# Altium PCB Mynd_Main.PcbDoc (part 1 of 5) (continued)
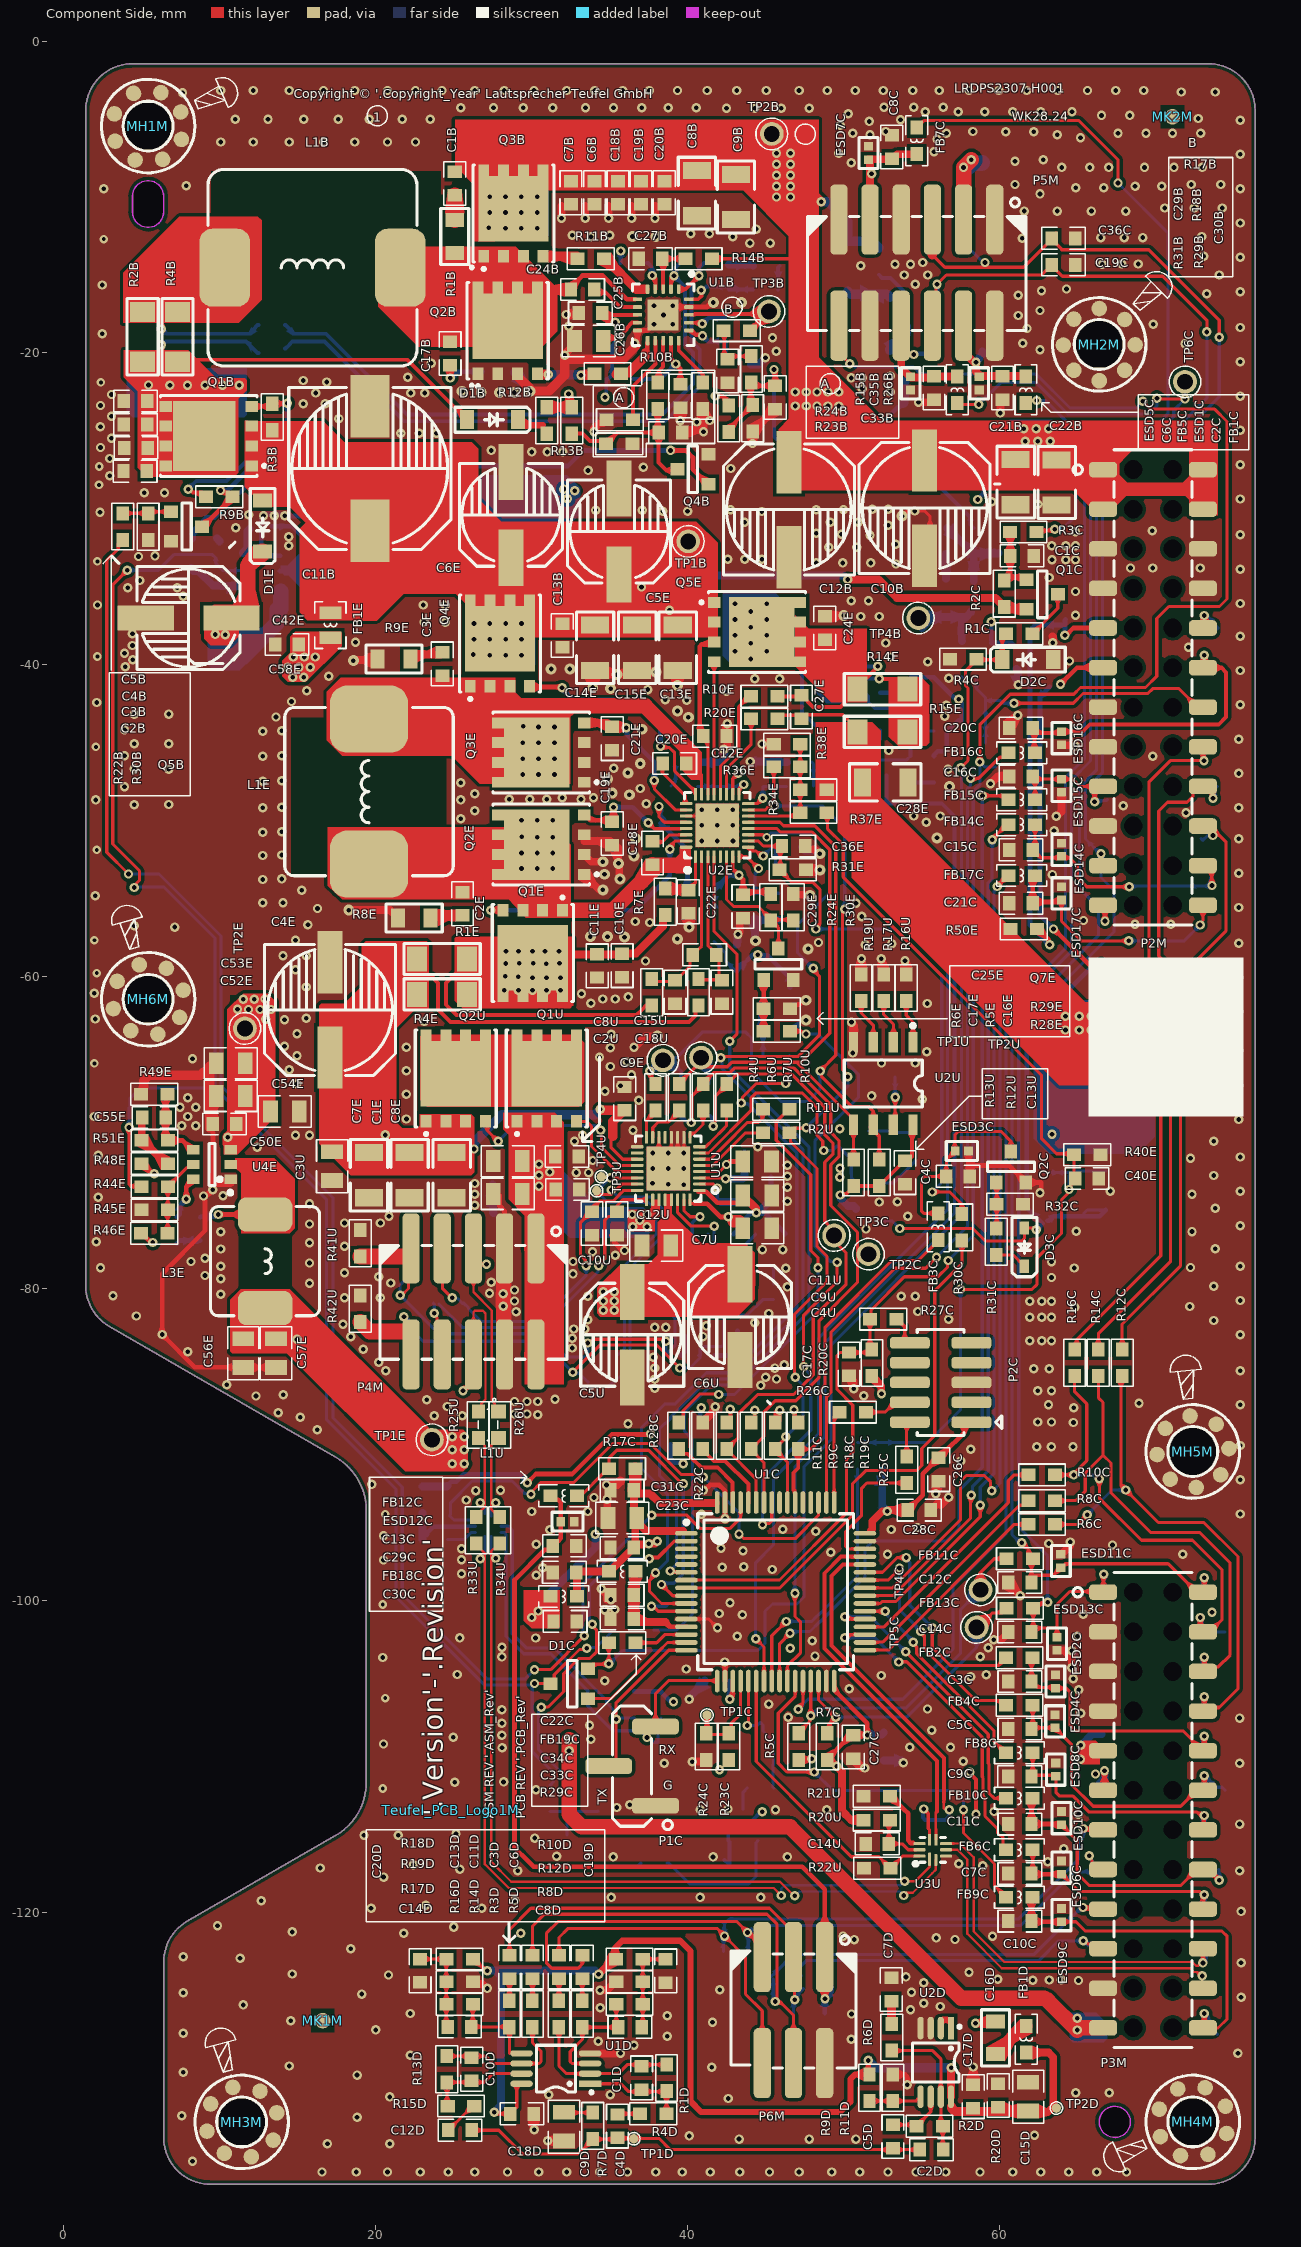
[diagram p0: Component Side view]
## Components (designator, comment, footprint, x,y, rotation, side; value= is the part's Value field where it differs from the comment) (continued)
R37U "0R" R0603 34.5,-84.4 r180 bottom
R38B "0R" R0603 58.351,-35.265 r270 bottom
R38C "10k" R0603 44.665,-110.516 r0 bottom
R38E "560k" R0603 46.375,-45.1 r180 top
R38U "0R" R0603 34.5,-86 r0 bottom
R39C "10k" R0603 32.715,-112.688 r270 bottom
R39E "100k" R0603 50.897,-90.726 r270 bottom
R39U "1M" R0402 39.1,-84.3 r0 bottom
R40C "10k" R0603 31.191,-112.7 r270 bottom
R40E "100k" R0603 65.629,-71.422 r180 top
R40U "1M" R0402 41.2,-84.3 r0 bottom
R41C "4.7M" R0603 34.265,-112.673 r90 bottom
R41E "33k" R0603 8.167,-32.932 r90 bottom
R41U "0R" R0603 19,-77.1 r270 top
R42E "100k" R0603 9.974,-32.937 r90 bottom
R42U "0R" R0603 19,-81.3 r270 top
R43E "10k" R0603 10.042,-35.957 r270 bottom
R44E "0R" R0603 5.815,-73.475 r0 top
R45E "100k" R0603 5.815,-74.961 r0 top
R46E "NC" R0603 5.8,-76.45 r0 top
R47E "10R" R0603 7.251,-76.265 r90 bottom
R48E "6.8k" R0603 5.815,-71.989 r0 top
R49E "13.3k" R0603 5.8,-67.55 r180 top
R50E "10k" R0603 61.565,-56.944 r0 top
R51E "100k" R0603 5.815,-70.503 r0 top
Teufel_ASM_Label1M "3.3" Teufel_ASM_Rev -29.649,-114.765 r90 top
Teufel_Copyright1M "2023" TEUFEL_COPYRIGHT -13.433,-129.407 r90 top
Teufel_PCB_Label1M "3.3" Teufel_PCB_Rev -26.449,-75.665 r90 top
Teufel_PCB_Logo1M "T.3.0.0040-3.3" Teufel_NoLogo 24.8,-113.45 r90 top
TP1B "TP_T_60_40" TP_T_60_40 40.042,-32.082 r0 top
TP1C "TP" TP060 41.245,-107.363 r270 top
TP1D "TP" TP060 36.55,-134.53 r180 top
TP1E "TP_T_60_40" TP_T_60_40 23.6,-89.7 r90 top
TP1M "TP12" TP120 62.967,-65.632 r0 bottom
TP1U "TP_T_60_40" TP_T_60_40 38.413,-65.364 r0 top
TP2B "TP_T_60_40" TP_T_60_40 45.4,-5.95 r0 top
TP2C "TP_T_60_40" TP_T_60_40 51.6,-77.8 r90 top
TP2D "TP" TP060 63.651,-132.565 r180 top
TP2E "TP_T_60_40" TP_T_60_40 11.608,-63.322 r90 top
TP2M "TP12" TP120 62.967,-69.332 r0 bottom
TP2U "TP_T_60_40" TP_T_60_40 40.864,-65.199 r0 top
TP3B "TP_T_60_40" TP_T_60_40 45.217,-17.332 r0 top
TP3C "TP_T_60_40" TP_T_60_40 49.4,-76.6 r90 top
TP3M "TP12" TP120 62.835,-72.565 r0 bottom
TP3U "TP06" TP060 34.167,-73.732 r90 top
TP4B "TP_T_60_40" TP_T_60_40 54.8,-37 r0 top
TP4C "TP_T_60_40" TP_T_60_40 58.791,-99.322 r90 top
TP4M "TP12" TP120 62.767,-75.832 r90 bottom
TP4U "TP06" TP060 34.467,-72.832 r90 top
TP5C "TP_T_60_40" TP_T_60_40 58.537,-101.735 r90 top
TP5M "TP12" TP120 62.467,-80.032 r0 bottom
TP6C "TP_T_60_40" TP_T_60_40 71.9,-21.85 r0 top
TP6M "TP12" TP120 62.367,-84.432 r0 bottom
TP7C "TP12" TP120 38.1,-109.1 r90 bottom
TP7M "TP12" TP120 66.247,-99.48 r90 bottom
TP8C "TP12" TP120 34.8,-106.4 r90 bottom
TP8M "TP12" TP120 73.05,-99.48 r90 bottom
TP9C "TP12" TP120 36.4,-114.2 r90 bottom
TP9M "TP12" TP120 66.367,-103.132 r90 bottom
TP10M "TP12" TP120 74.067,-102.02 r90 bottom
TP11M "TP12" TP120 73.05,-104.56 r90 bottom
TP12M "TP12" TP120 74.067,-107.1 r90 bottom
TP13M "TP12" TP120 60.9,-24.95 r90 bottom
TP14M "TP12" TP120 62.855,-26.17 r90 bottom
TP15M "TP12" TP120 66.247,-108.332 r90 bottom
TP16M "TP12" TP120 73.05,-109.64 r90 bottom
TP17M "TP12" TP120 66.247,-112.13 r90 bottom
TP18M "TP12" TP120 74.067,-112.18 r90 bottom
TP19M "TP12" TP120 64.506,-34.806 r90 bottom
TP20M "TP12" TP120 72.868,-34.846 r90 bottom
TP21M "TP12" TP120 65.167,-115.132 r90 bottom
TP22M "TP12" TP120 73.05,-114.72 r90 bottom
TP23M "TP12" TP120 66.247,-117.31 r90 bottom
TP24M "TP12" TP120 74.067,-117.26 r90 bottom
TP25M "TP12" TP120 64,-37.45 r90 bottom
TP26M "TP12" TP120 73.97,-37.64 r90 bottom
TP27M "TP12" TP120 64.967,-119.85 r90 bottom
TP28M "TP12" TP120 73.05,-119.8 r90 bottom
TP29M "TP12" TP120 63.236,-41.41 r90 bottom
TP30M "TP12" TP120 73.05,-40.18 r90 bottom
TP31M "TP12" TP120 66.247,-122.34 r90 bottom
TP32M "TP12" TP120 74.067,-122.376 r90 bottom
TP33M "TP12" TP120 73.97,-42.65 r90 bottom
TP34M "TP12" TP120 60.061,-42.299 r90 bottom
TP35M "TP12" TP120 64.967,-124.93 r90 bottom
TP36M "TP12" TP120 73.05,-124.88 r90 bottom
TP37M "TP12" TP120 73.05,-45.26 r90 bottom
TP38M "TP12" TP120 66.347,-127.57 r90 bottom
TP39M "TP12" TP120 73.967,-127.832 r90 bottom
TP40M "TP12" TP120 66.919,-48.649 r90 bottom
TP41M "TP12" TP120 73.97,-47.8 r90 bottom
TP42M "TP12" TP120 72.992,-50.95 r90 bottom
TP43M "TP12" TP120 66.2,-52.05 r90 bottom
TP44M "TP12" TP120 73.05,-53.95 r90 bottom
TP45M "TP12" TP120 66.347,-55.57 r90 bottom
TP46M "TP12" TP120 73.05,-57.45 r90 bottom
TP47M "TP12" TP120 58.9,-7.8 r90 bottom
TP48M "TP12" TP120 31.567,-73.332 r90 bottom
TP49M "TP12" TP120 32.167,-75.632 r90 bottom
TP50M "TP12" TP120 58.9,-19.9 r90 bottom
TP51M "TP12" TP120 20,-74.7 r90 bottom
TP52M "TP12" TP120 28.767,-84.432 r90 bottom
TP53M "TP12" TP120 58.075,-13.492 r90 bottom
TP54M "TP12" TP120 27,-77.7 r90 bottom
TP55M "TP12" TP120 26.067,-86.732 r90 bottom
TP56M "TP12" TP120 56.1,-16.4 r90 bottom
TP57M "TP12" TP120 30.3,-81.5 r90 bottom
TP58M "TP12" TP120 32.7,-81.4 r90 bottom
TP59M "TP12" TP120 54.5,-5.25 r90 bottom
TP60M "TP12" TP120 22.267,-82.622 r90 bottom
TP61M "TP12" TP120 55.6,-19.9 r90 bottom
TP62M "TP12" TP120 49.242,-124.757 r90 bottom
TP63M "TP12" TP120 51.5,-9.3 r90 bottom
TP64M "TP12" TP120 47.192,-124.682 r90 bottom
TP65M "TP12" TP120 45.217,-125.857 r90 bottom
TP66M "TP12" TP120 44.367,-121.332 r90 bottom
TP67M "TP12" TP120 42.217,-120.607 r90 bottom
TP68M "TP12" TP120 59.742,-46.557 r90 bottom
TP69M "TP12" TP120 22.334,-79 r90 bottom
U1B "LM51231QRGRRQ1" QFN20_350X350X100_50_P200X200 38.433,-17.557 r270 top
U1C "STM32F072RBT6" LQFP64_1000X1000X160_50 45.65,-99.45 r0 top
U1D "SGM358YMS" VSSOP8 31.55,-130.03 r180 top
U1E "INA181A1IDBVR" SOT23_6_SC74 51.4,-43 r90 bottom
U1U "PTPS25751SRSMR" QFN32_400X400X80_40_P280X280_A 38.762,-72.308 r180 top
U2B "SGM7SZ14YN5G/TR" SOT23-5 58.551,-39.665 r90 bottom
U2D "SGM358YMS" VSSOP8 55.917,-129.632 r270 top
U2E "BQ25713RSNR" QFN32_400X400X80_40_P280X280_A 41.9,-50.3 r90 top
U2U "FT24C512A-TSR-T" SO-8 52.548,-66.85 r270 top
U3E "TPS562201DDCR" SOT23_6_SC74 12.667,-33.957 r180 bottom
U3U "SGM7227YUWQ10G" QFN10_180X140X60_40 55.723,-115.999 r90 top
U4E "TPS54302DDCR" SOT23_6_SC74 9.5,-72.05 r180 top
U4U "SGM7227YUWQ10G" QFN10_180X140X60_40 27.2,-95.25 r270 bottom

## Footprints (in the part's own frame and the unit in brackets; to place one, negate y for a bottom-side part, rotate by r counter-clockwise, add the part's x,y. Pads: shape width x height; smd on the part's side, far side on the other; paste and mask are expansions set on the pad)
C0402 [mm] "Chip Capacitor 0402"
  rect 0.5x0.5 smd: 1(-0.5,0) 2(0.5,0)
  silkscreen extent -1,-0.5 1,0.5, body extent -0.5,-0.26 0.5,0.26, height 0.57
C0603X80 [mm] "MLCC CAP 0603 T= 0.8 mm"
  rect 0.8x0.9 smd: 1(-0.745,0) 2(0.755,0)
  silkscreen extent -1.4,-0.7 1.4,0.7, body extent -0.8,-0.4 0.8,0.4, height 0.5
C0603X100 [mm] "MLCC CAP 0603 T= 1.0 mm"
  rect 0.8x0.9 smd: 1(-0.745,0) 2(0.755,0)
  silkscreen extent -1.4,-0.7 1.4,0.7, body extent -0.8,-0.4 0.8,0.4, height 0.8
C0603X105 [mm] "MLCC CAP 0603 T= 1.05 mm"
  rect 0.8x0.9 smd: 1(-0.745,0) 2(0.755,0)
  silkscreen extent -1.4,-0.7 1.4,0.7, body extent -0.8,-0.4 0.8,0.4, height 1.05
C0805_145 [mm] "Chip Capacitor 0805, T= 1.45 mm"
  rect 0.95x1.4 smd: 1(-0.925,0) 2(0.925,0)
  silkscreen extent -1.7,-1 1.7,1, body extent -1,-0.62 1,0.63, height 1.45
C1206 [mm] "Chip Capacitor 1206"
  rect 1.1x1.8 smd: 1(-1.45,0) 2(1.45,0)
  silkscreen extent -2.3,-1.2 2.3,1.2, body extent -1.6,-0.81 1.6,0.81, height 0.57
CET2012D [mm] "CET2012D 2x1.2x1.2mm"
  rect 0.9x0.45 smd: 1(-0.85,0.425) 2(-0.85,-0.425) 3(0.85,-0.425) 4(0.85,0.425)
  silkscreen extent -1.7,-0.64 1,0.64, body extent -1,-0.6 1,0.6, height 1.2
CON_250_SMD_H_8P [mm] "2.5mm CONNECTOR SMD TOP ENTRY, 2.5-nPÁ¢Ìù"
  rrect50% 1.8x3.9 smd: 0(-11.95,1.55) 0(11.95,1.55)
  rrect50% 1.3x5.5 smd: 1(-8.75,-4.75) 2(-6.25,-4.75) 3(-3.75,-4.75) 4(-1.25,-4.75) 5(1.25,-4.75) 6(3.75,-4.75) 7(6.25,-4.75) 8(8.75,-4.75)
  silkscreen extent -12.5,-3.55 12.5,4.25, body extent -12.5,-5.95 12.5,4.25, height 6
DFN2_100X60X50_65 [mm] "DFN, 2-Leads, Body 1.00 x 0.60 mm, Pitch 0.65mm, IPC Medium Density"
  rect 0.55x0.6 smd: 1(-0.425,0) 2(0.425,0)
  silkscreen extent -1,-0.6 1,0.6, body extent -0.54,-0.34 0.54,0.34, height 0.5
DFN8_500X600X100_127_A#1 [mm] "DFN, 8-Leads, Body 5.00 x 6.00 mm, Pitch 1.27 mm, IPC Medium Density"
  rect 0.8x0.7 smd: 1(-2.75,1.905) 2(-2.75,0.635) 3(-2.75,-0.635) 4(-2.75,-1.905) 5(2.75,-1.905) 6(2.75,-0.635) 7(2.75,0.635) 8(2.75,1.905)
  rect 4x4.5 smd: 8(0.3,0)
  silkscreen extent -3.66,-2.6 3.1,2.6, body extent -3,-2.5 3,2.5, height 1.05
DFN8_500X600X100_127_A#2 [mm] "DFN, 8-Leads, Body 5.00 x 6.00 mm, Pitch 1.27 mm, IPC Medium Density"
  rect 0.8x0.7 smd: 1(-2.75,1.905) 2(-2.75,0.635) 3(-2.75,-0.635) 4(-2.75,-1.905) 5(2.75,-1.905) 6(2.75,-0.635) 7(2.75,0.635) 8(2.75,1.905)
  rect 4.2x4.51 smd: 8(0.3,0)
  silkscreen extent -3.66,-2.6 3.1,2.6, body extent -3,-2.5 3,2.5, height 1.05
E_CAP_SMD_10%2A10.2 [mm] "E_CAP_SMD_D10*L10.2"
  rect 4x2.5 smd: 1(-4,0) 2(4,0)
  silkscreen extent -5.2,-5.2 5.2,5.2, body extent -5.8,-5.15 5.8,5.15, height 10.2
ECAP_SMD_630X540 [mm] "Electrolytic Capacitors SMD D 6.30 mm X L 5.40 mm"
  rect 3.6x1.6 smd: 1(-2.75,0) 2(2.75,0)
  silkscreen extent -3.3,-3.3 3.3,3.3, body extent -3.5,-3.3 3.5,3.3, height 5.4
ECAP_SMD_800X1000 [mm] "Electrolytic Capacitors SMD D 8.00 mm X L 10.00 mm"
  rect 4x1.6 smd: 1(-3.05,0) 2(3.05,0)
  silkscreen extent -4.2,-4.2 4.2,4.2, body extent -4.45,-4.15 4.45,4.15, height 10
Female_SMD_Bottom_2X12_254 [mm] "female  SMD  dual row   2.54mm  24pin Bottom Entry"
  rrect50% 1x1.8 smd: 1(-13.97,-3.2) 2(-13.97,3.2) 3(-11.43,-3.2) 4(-11.43,3.2) 5(-8.89,-3.2) 6(-8.89,3.2) 7(-6.35,-3.2) 8(-6.35,3.2) 9(-3.81,-3.2) 10(-3.81,3.2) 11(-1.27,-3.2) 12(-1.27,3.2) 13(1.27,-3.2) 14(1.27,3.2) 15(3.81,-3.2) 16(3.81,3.2) 17(6.35,-3.2) 18(6.35,3.2) 19(8.89,-3.2) 20(8.89,3.2) 21(11.43,-3.2) 22(11.43,3.2) 23(13.97,-3.2) 24(13.97,3.2)
  round 0 hole 1.2 unplated: M1(-13.97,-1.27) M2(-13.97,1.27) M3(-11.43,-1.27) M4(-11.43,1.27) M5(-8.89,-1.27) M6(-8.89,1.27) M7(-6.35,-1.27) M8(-6.35,1.27) M9(-3.81,-1.27) M10(-3.81,1.27) M11(-1.27,-1.27) M12(-1.27,1.27) M13(1.27,-1.27) M14(1.27,1.27) M15(3.81,-1.27) M16(3.81,1.27) M17(6.35,-1.27) M18(6.35,1.27) M19(8.89,-1.27) M20(8.89,1.27) M21(11.43,-1.27) M22(11.43,1.27) M23(13.97,-1.27) M24(13.97,1.27)
  silkscreen extent -15.24,-5.12 15.24,2.5, body extent -15.24,-3.6 15.24,3.6, height 3.71
IND_SMD_SQU_L60XW60XH20 [mm] "INDUCTOR SMD L 6.0 x W 6.0 x H 2.0 mm, MICROGATE MPITxxxx"
  rrect50% 1.9x5.5 smd: 1(-2.3,0) 2(2.3,0)
  Component Side pour cut-out: -1,3 1,3 1,-3 -1,-3
  silkscreen extent -3,-3 3,3, body extent -3,-3 3,3, height 2.1
IND_SMD_YT_SQU_L78XW70XH30 [mm] "INDUCTOR SMD L 7.8 x W 7.0 x H 3.0 mm"
  rrect50% 2.2x3.5 smd: 1(-3,0) 2(3,0)
  Component Side pour cut-out: -1.5,1.7 1.5,1.7 1.5,-1.7 -1.5,-1.7
  silkscreen extent -3.5,-3.5 3.5,3.5, body extent -3.7,-3.5 3.7,3.5, height 3.05
IND_SMD_YT_SQU_L118XW108XH40_A [mm] "INDUCTOR SMD L 11.8 x W 10.8 x H 4.0 mm"
  rrect50% 4.3x5 smd: 1(-4.65,0) 2(4.65,0)
  Component Side pour cut-out: -2.3,2.6 2.3,2.6 2.3,-2.6 -2.3,-2.6
  silkscreen extent -5.4,-5.4 5.4,5.4, body extent -5.6,-5.4 5.6,5.4, height 4.05
IND_SMD_YT_SQU_L135XW126XH57 [mm] "INDUCTOR SMD L 13.5 x W 12.6 x H 5.7 mm"
  rrect50% 3.25x5 smd: 1(-5.625,0) 2(5.625,0)
  Component Side pour cut-out: -3.5,2.3 3.5,2.3 3.5,-2.3 -3.5,-2.3
  silkscreen extent -6.7,-6.3 6.7,6.3, body extent -6.7,-6.3 6.7,6.3, height 5.75
L0603 [mm] "Chip Inductor 0603"
  rect 0.9x0.8 smd: 1(-0.85,0) 2(0.85,0)
  silkscreen extent -1.6,-0.7 1.6,0.7, body extent -0.8,-0.4 0.8,0.4, height 1
L0805 [mm] "Chip Inductor 0805"
  rect 0.8x1.4 smd: 1(-0.8,0) 2(0.8,0)
  silkscreen extent -1.5,-1 1.5,1, body extent -1,-0.63 1,0.62, height 1.05
LQFP64_1000X1000X160_50 [mm] "LQFP, 64-Leads, Body 10.00x10.00mm, Pitch 0.50mm, IPC Medium Density"
  oval 1.45x0.3 smd: 1(-5.725,3.75) 2(-5.725,3.25) 3(-5.725,2.75) 4(-5.725,2.25) 5(-5.725,1.75) 6(-5.725,1.25) 7(-5.725,0.75) 8(-5.725,0.25) 9(-5.725,-0.25) 10(-5.725,-0.75) 11(-5.725,-1.25) 12(-5.725,-1.75) 13(-5.725,-2.25) 14(-5.725,-2.75) 15(-5.725,-3.25) 16(-5.725,-3.75) 33(5.725,-3.75) 34(5.725,-3.25) 35(5.725,-2.75) 36(5.725,-2.25) 37(5.725,-1.75) 38(5.725,-1.25) 39(5.725,-0.75) 40(5.725,-0.25) 41(5.725,0.25) 42(5.725,0.75) 43(5.725,1.25) 44(5.725,1.75) 45(5.725,2.25) 46(5.725,2.75) 47(5.725,3.25) 48(5.725,3.75)
  oval 0.3x1.45 smd: 17(-3.75,-5.725) 18(-3.25,-5.725) 19(-2.75,-5.725) 20(-2.25,-5.725) 21(-1.75,-5.725) 22(-1.25,-5.725) 23(-0.75,-5.725) 24(-0.25,-5.725) 25(0.25,-5.725) 26(0.75,-5.725) 27(1.25,-5.725) 28(1.75,-5.725) 29(2.25,-5.725) 30(2.75,-5.725) 31(3.25,-5.725) 32(3.75,-5.725) 49(3.75,5.725) 50(3.25,5.725) 51(2.75,5.725) 52(2.25,5.725) 53(1.75,5.725) 54(1.25,5.725) 55(0.75,5.725) 56(0.25,5.725) 57(-0.25,5.725) 58(-0.75,5.725) 59(-1.25,5.725) 60(-1.75,5.725) 61(-2.25,5.725) 62(-2.75,5.725) 63(-3.25,5.725) 64(-3.75,5.725)
  silkscreen extent -5.85,-5 5,5, body extent -6,-6 6,6, height 1.6
MARK [mm] "MARK DOT 1mm"
  rect 1.5x1.5 on Top Solder: 0(0,0)
  rect 1.5x1.5 on Bottom Solder: 1(0,0)
  round 1 smd far side mask+0: MK_B(0,0)
  round 1 smd mask+0: MKT(0,0)
  Component Side pour cut-out: -0.75,-0.75 0.75,-0.75 0.75,0.75 -0.75,0.75
  Solder Side pour cut-out: -0.75,-0.75 0.75,-0.75 0.75,0.75 -0.75,0.75
Pin_Header_2x5_127 [mm] "Pin header  SMD  dual row   1,27mm  10pin"
  rrect50% 2.55x0.74 smd: 1(-1.975,2.54) 2(1.975,2.54) 3(-1.975,1.27) 4(1.975,1.27) 5(-1.975,0) 6(1.975,0) 7(-1.975,-1.27) 8(1.975,-1.27) 9(-1.975,-2.54) 10(1.975,-2.54)
  silkscreen extent -3.92,-3.4 1.5,3.4, body extent -2.75,-3.18 2.75,3.18, height 6.41
Pin_Header_SMD_S_T_254_3P [mm] "Pin header  SMD  singlel row   2.54mm  xxpin"
  rrect50% 1.02x3 smd: 1(-2.54,-1.5) 2(0,1.5) 3(2.54,-1.5)
  silkscreen extent -4.07,-2.59 3.86,1.25, body extent -3.81,-2.5 3.81,2.5, height 9.84
QFN10_180X140X60_40 [mm] "QFN, 10-Leads, Body 1.8x1.4mm, Pitch 0.40mm, IPC Medium Density"
  rrect50% 0.85x0.2 smd: 1(-0.6,0.2)
  rrect50% 0.75x0.2 smd: 2(-0.65,-0.2) 6(0.65,-0.2) 7(0.65,0.2)
  rrect50% 0.2x0.75 smd: 3(-0.4,-0.85) 4(0,-0.85) 5(0.4,-0.85) 8(0.4,0.85) 9(0,0.85) 10(-0.4,0.85)
  silkscreen extent -1.02,-0.8 0.8,1.22, body extent -0.7,-0.9 0.7,0.9, height 0.55
QFN20_350X350X100_50_P200X200 [mm] "QFN, 20-Leads, Body 3.50x3.50mm, Pitch 0.50mm, Thermal Pad 2.00x2.00mm, IPC Medium Density"
  rect 2x2 smd: 0(0,0)
  rrect50% 0.6x0.24 smd: 1(-1.65,1) 2(-1.65,0.5) 3(-1.65,0) 4(-1.65,-0.5) 5(-1.65,-1) 11(1.65,-1) 12(1.65,-0.5) 13(1.65,0) 14(1.65,0.5) 15(1.65,1)
  rrect50% 0.24x0.6 smd: 6(-1,-1.65) 7(-0.5,-1.65) 8(0,-1.65) 9(0.5,-1.65) 10(1,-1.65) 16(1,1.65) 17(0.5,1.65) 18(0,1.65) 19(-0.5,1.65) 20(-1,1.65)
  silkscreen extent -2.75,-1.97 1.97,1.97, body extent -1.75,-1.75 1.75,1.75, height 1
QFN32_400X400X80_40_P280X280_A [mm]
  rect 2.8x2.8 smd: 0(0,0)
  rrect50% 0.8x0.2 smd: 1(-2,1.4) 2(-2,1) 3(-2,0.6) 4(-2,0.2) 5(-2,-0.2) 6(-2,-0.6) 7(-2,-1) 8(-2,-1.4) 17(2,-1.4) 18(2,-1) 19(2,-0.6) 20(2,-0.2) 21(2,0.2) 22(2,0.6) 23(2,1) 24(2,1.4)
  rrect50% 0.2x0.8 smd: 9(-1.4,-2) 10(-1,-2) 11(-0.6,-2) 12(-0.2,-2) 13(0.2,-2) 14(0.6,-2) 15(1,-2) 16(1.4,-2) 25(1.4,2) 26(1,2) 27(0.6,2) 28(0.2,2) 29(-0.2,2) 30(-0.6,2) 31(-1,2) 32(-1.4,2)
  silkscreen extent -3.2,-2.1 2.1,2.1, body extent -2,-2 2,2, height 0.8
R0402 [mm] "Chip Resistor 0402"
  rect 0.5x0.6 smd: 1(-0.5,0) 2(0.5,0)
  silkscreen extent -1,-0.5 1,0.5, body extent -0.5,-0.25 0.5,0.25, height 0.3
R0603 [mm] "Chip Resistor 0603"
  rect 0.9x0.8 smd: 1(-0.85,0) 2(0.85,0)
  silkscreen extent -1.5,-0.7 1.5,0.7, body extent -0.8,-0.4 0.8,0.4, height 0.3
R0805 [mm] "Chip Resistor 0805"
  rect 0.9x1.2 smd: 1(-1.05,0) 2(1.05,0)
  silkscreen extent -1.8,-0.9 1.8,0.9, body extent -1,-0.6 1,0.6, height 0.7
R1206 [mm] "Chip Resistor 1206"
  rect 1.3x1.6 smd: 1(-1.6,0) 2(1.6,0)
  silkscreen extent -2.45,-1 2.45,1, body extent -1.55,-0.8 1.55,0.8, height 0.55
SCREW_D30 [mm] "Screw hole D = 3.0mm"
  round 1 smd: 1(-2.297,-0.042) 1(-1.626,1.626) 1(-1.624,-1.657) 1(0,2.3) 1(0.003,-2.331) 1(1.629,-1.657) 1(1.629,1.596) 1(2.303,-0.031)
  round 1 smd far side: 1(-2.297,-0.042) 1(-1.626,1.626) 1(-1.624,-1.657) 1(0,2.3) 1(0.003,-2.331) 1(1.629,-1.657) 1(1.629,1.596) 1(2.303,-0.031)
  round 3 hole 3.2: 1(0,0)
  silkscreen extent -3,-3 4.67,4.67
SO-8 [mm] "8 leads; 1.27 mm pitch; 4.9 mm x 3.9 mm x 1.75 mm body"
  rect 1.3x0.6 smd: 1(-2.65,1.905) 2(-2.65,0.635) 3(-2.65,-0.635) 4(-2.65,-1.905) 5(2.65,-1.905) 6(2.65,-0.635) 7(2.65,0.635) 8(2.65,1.905)
  silkscreen extent -3.82,-2.5 1.5,2.5, body extent -3,-2.45 3,2.45, height 1.63
SOD-123 [mm] "2 terminals;  2.675 mm x 1.6 mm x 1.15 mm body"
  rect 0.91x1.22 smd: A(1.635,0) K(-1.635,0)
  silkscreen extent -2.4,-0.8 2.4,0.8, body extent -1.93,-0.85 1.93,0.85, height 1.42
SOD-323 [mm] "2 terminals; 1.7 mm x 1.25  mm x 0.95 mm"
  rect 0.85x0.6 smd: A(1.225,0) K(-1.225,0)
  silkscreen extent -1.9,-0.8 1.9,0.8, body extent -1.35,-0.63 1.35,0.62, height 1.1
SOT23-5 [mm] "3 terminals; 1.9 mm pitch; 2.9 mm x 1.3 mm x 1 mm"
  rect 0.8x0.55 smd: 1(-1.2,0.95) 2(-1.2,0) 3(-1.2,-0.95) 4(1.2,-0.95) 5(1.2,0.95)
  silkscreen extent -0.6,-1.4 0.6,1.4, body extent -1.5,-1.5 1.5,1.5, height 1.45
SOT23-123 [mm] "3 terminals; 1.9 mm pitch; 2.9 mm x 1.3 mm x 1 mm"
  rect 0.8x0.9 smd: 1(-0.95,-1) 2(0.95,-1) 3(0,1.4)
  silkscreen extent -1.5,-0.3 1.5,0.3, body extent -1.5,-1.32 1.5,1.32, height 1.08
SOT23-GSD [mm] "3 terminals; 1.9 mm pitch; 2.9 mm x 1.3 mm x 1 mm"
  rect 0.8x0.9 smd: D(0,1) G(-0.95,-1) S(0.95,-1)
  silkscreen extent -1.5,-0.3 1.5,0.3, body extent -1.5,-1.32 1.5,1.32, height 1.08
SOT23_6_SC74 [mm] "S6 leads; 0.95 mm pitch; 2.9 mm x 1.5 mm x 1 mm body"
  rect 0.8x0.6 smd: 1(-1.2,0.95) 2(-1.2,0) 3(-1.2,-0.95) 4(1.2,-0.95) 5(1.2,0) 6(1.2,0.95)
  silkscreen extent -1.3,-1.35 0.2,1.93, body extent -1.4,-1.5 1.4,1.5, height 1
SOT23_16_GSD [mm] "3 terminals; 1.9 mm pitch; 2.9 mm x 1.6 mm x 1 mm"
  rect 0.8x1 smd: D(0,1.3) G(-0.95,-1.3) S(0.95,-1.3)
  silkscreen extent -1.5,-0.3 1.5,0.3, body extent -1.45,-1.4 1.45,1.4, height 1.52
Teufel_ASM_Rev [mm]
TEUFEL_COPYRIGHT [mm]
Teufel_NoLogo [mm] "Teufel NoLogo"
Teufel_PCB_Rev [mm]
TP060 [mm] "TEST PAD 0.6mm"
  round 0.6 smd: 1(0,0)
  silkscreen extent -0.4,-0.4 0.4,0.4
TP120 [mm] "TEST PAD 1.2mm"
  round 1.2 smd: 1(0,0)
  silkscreen extent -0.7,-0.7 0.7,0.7
TP_T_60_40 [mil] "TEST PAD 60mil 40mil"
  round 60 / inner oval 60x50 / far side round 60 hole 40: 1(0,0)
  silkscreen extent -40,-40 40,40
VSSOP8 [mm] "8 leads; 0.65 mm pitch; 3 mm x 3 mm x 1.1 mm body"
  rect 1.45x0.4 smd: 1(-2.2,0.975)
  oval 1.45x0.4 smd: 2(-2.2,0.325) 3(-2.2,-0.325) 4(-2.2,-0.975) 5(2.2,-0.975) 6(2.2,-0.325) 7(2.2,0.325) 8(2.2,0.975)
  silkscreen extent -2.39,-1.5 1.25,1.62, body extent -2.45,-1.5 2.45,1.5, height 0.97
WB200AL_2x3P [mm] "WB200AL 2x3 Pin, 2.0 Pitch AÐÍË«ÅÅÁ¢ÌùWTB"
  rrect50% 1.1x4.5 smd: 1(-2,-3.4) 2(-2,3.4) 3(0,-3.4) 4(0,3.4) 5(2,-3.4) 6(2,3.4)
  silkscreen extent -4,-4.78 4,3.7, body extent -4,-4.49 4,5.51, height 8.41
WB200AL_2x5P [mm] "WB200AL 2x5 Pin, 2.0 Pitch AÐÍË«ÅÅÁ¢ÌùWTB"
  rrect50% 1.1x4.5 smd: 1(-4,-3.4) 2(-4,3.4) 3(-2,-3.4) 4(-2,3.4) 5(0,-3.4) 6(0,3.4) 7(2,-3.4) 8(2,3.4) 9(4,-3.4) 10(4,3.4)
  silkscreen extent -6,-4.78 6,3.7, body extent -6,-4.94 6,5.06, height 8.44
WB200AL_2x6P [mm] "WB200AL 2x6 Pin, 2.0 Pitch AÐÍË«ÅÅÁ¢ÌùWTB"
  rrect50% 1.1x4.5 smd: 1(-5,-3.4) 2(-5,3.4) 3(-3,-3.4) 4(-3,3.4) 5(-1,-3.4) 6(-1,3.4) 7(1,-3.4) 8(1,3.4) 9(3,-3.4) 10(3,3.4) 11(5,-3.4) 12(5,3.4)
  silkscreen extent -7,-4.78 7,3.7, body extent -7,-4.96 7,5.04, height 9.04